# KiCad board Boston-PCB-V08D.kicad_pcb (continued)
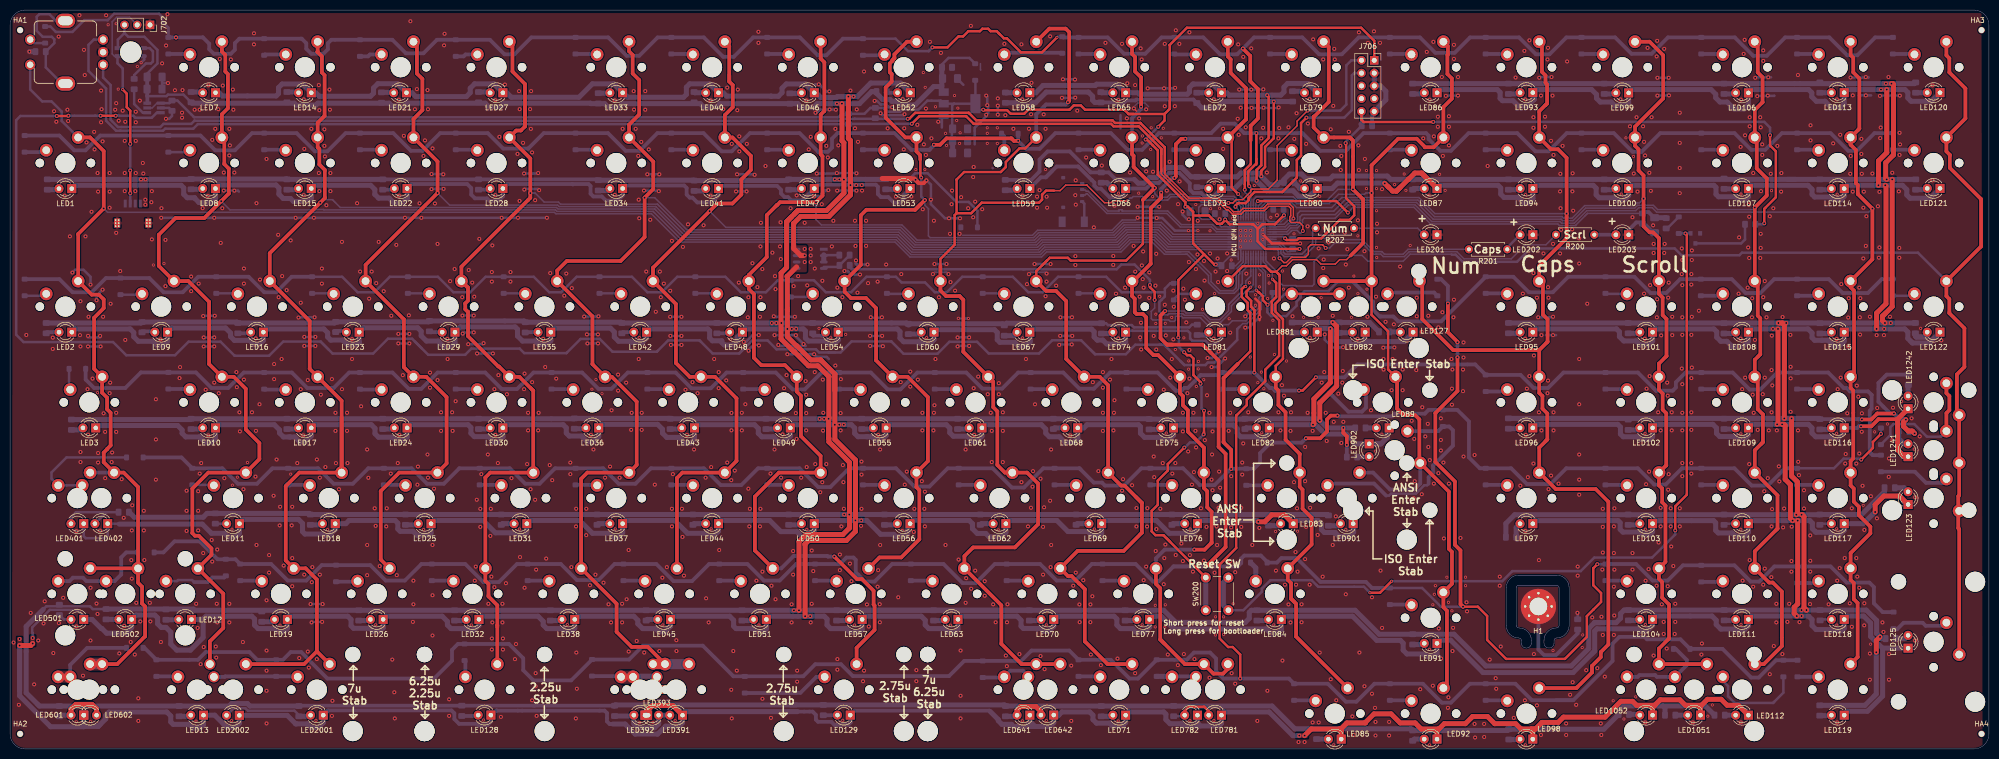
[diagram p0: board, top side]
## Routing (per net, layer and track width the routed paths; a pad name or vN(x,y) marks a point on that pad's centre or on a via; arc(x,y) is an arc through that point) (continued)
  vias: v1(0.7,21.18) v1(1.75,8.78) v1(3.23,82.36) v1(4.11,27.06) v1(4.79,12.84) v1(5.6,21.57) v1(6.66,24.97) v1(6.88,29.37) v1(8.5,81.83) v1(8.5,79.58) v1(8.6,19.07) v1(8.75,126.88) v1(9.2,124.78) v1(9.66,141.72) v1(9.71,25.04) v1(10.56,30.06) v1(10.85,110.08) v1(11.4,127.17) v1(11.55,124.92) v1(11.9,101.97) v1(13.2,43.32) v1(13.2,24.38) v1(13.8,145.97) v1(13.9,82.33) v1(14,89.08) v1(14,80.08) v1(14,59.08) v1(14,57.08) v1(14.5,14.57) v1(14.7,139.07) v1(14.86,134.06) v1(15,101.97) v1(15.2,120.67) v1(15.4,71.58) v1(15.5,82.17) v1(15.5,62.53) v1(15.6,85.97) v1(16,32.07) v1(16,21.57) v1(16.2,106.88) v1(16.4,73.67) v1(16.72,122.77) v1(16.8,119.28) v1(17.19,28.93) v1(17.4,114.58) v1(17.39,26.85) v1(17.5,110.88) v1(17.5,58.88) v1(17.5,56.97) v1(17.9,82.17) v1(17.9,43.43) v1(18.1,130.97) v1(18.1,124.67) v1(18.2,127.28) v1(18.4,120.88) v1(18.5,85.97) v1(18.6,66.78) v1(18.9,63.08) v1(18.9,53.88) v1(19.1,145.97) v1(19.8,114.58) v1(19.8,110.88) v1(19.8,107.67) v1(19.8,70.78) v1(19.9,72.88) v1(20,88.58) v1(20.2,57.08) v1(20.3,58.97) v1(20.9,127.17) v1(21.1,128.47) v1(21.1,102.67) v1(21.1,66.88) v1(21.1,63.08) v1(21.6,124.97) v1(21.72,19) v1(21.9,95.08) v1(22.2,53.67) v1(22.4,126.97) v1(22.6,45.97) v1(22.7,24.47) v1(22.8,120.97) v1(22.8,114.58) v1(22.8,110.97) v1(22.9,124.78) v1(22.9,81.38) v1(24,21.28) v1(24.1,37.57) v1(24.2,43.47) v1(24.2,33.88) v1(24.3,48.47) v1(24.8,18.78) v1(24.9,110.97) v1(25,126.78) v1(25,124.67) v1(25,120.97) v1(25,114.58) v1(25.1,29.07) v1(25.5,10.07) v1(25.5,5.57) v1(25.8,128.97) v1(25.9,25.38) v1(26.4,116.58) v1(26.5,114.47) v1(26.6,47.38) v1(26.6,43.47) v1(26.7,37.57) v1(27.8,29.07) v1(27.9,25.38) v1(28.1,108.78) v1(28.2,110.97) v1(28.2,101.38) v1(29,69.58) v1(29,61.58) v1(29,53.58) v1(29.9,81.47) v1(30,21.28) v1(30.1,107.58) v1(30.23,136.4) v1(30.9,101.28) v1(30.9,92.08) v1(31.03,139.95) v1(31.3,146.18) v1(32.78,131.06) v1(33.7,73.78) v1(33.8,75.97) v1(34.2,126.58) v1(34.2,125.58) v1(34.29,131.06) v1(35.1,51.38) v1(35.1,47.38) v1(35.1,43.38) v1(36,93.97) v1(36,91.08) v1(36.7,127.17) v1(37,28.88) v1(37.3,24.07) v1(37.4,51.28) v1(37.4,47.38) v1(37.4,43.47) v1(37.5,92.58) v1(37.7,127.17) v1(37.7,54.78) v1(37.9,16.88) v1(38,56.88) v1(38.3,107.58) v1(38.4,38.97) v1(38.5,20.28) v1(38.9,71.47) v1(39.35,110.03) v1(39.4,62.38) v1(39.45,132.03) v1(40.1,41.57) v1(40.2,121.17) v1(40.2,37.28) v1(40.6,72.88) v1(40.8,123.38) v1(40.9,20.38) v1(41,18.18) v1(41.1,28.88) v1(41.2,39.68) v1(41.2,25.18) v1(41.4,127.28) v1(41.5,70.78) v1(41.7,137.28) v1(41.9,100.67) v1(42.2,107.58) v1(42.3,131.97) v1(42.5,114.67) v1(42.6,53.88) v1(43.6,123.38) v1(43.6,118.08) v1(43.6,28.88) v1(43.6,25.18) v1(43.7,120.08) v1(43.9,137.18) v1(44.3,131.18) v1(44.4,127.17) v1(44.6,114.67) v1(45,74.97) v1(45.1,71.97) v1(45.6,66.97) v1(45.7,63.17) v1(46.3,21.28) v1(46.4,51.67) v1(46.5,95.58) v1(46.5,92.58) v1(46.5,73.47) v1(48.1,66.97) v1(48.5,142.38) v1(48.5,140.18) v1(48.85,81.67) v1(48.8,54.17) v1(48.9,63.28) v1(49,108.58) v1(49,40.57) v1(49.6,68.58) v1(49.7,93.38) v1(51,117.38) v1(51,29.57) v1(51,19.57) v1(51,15.57) v1(51,11.57) v1(51,5.07) v1(51.5,38.57) v1(51.5,35.07) v1(52.4,50.38) v1(52.5,76.58) v1(52.5,73.58) v1(53,57.58) v1(53.3,102.28) v1(53.4,89.88) v1(53.6,44.47) v1(53.7,48.17) v1(54,77.58) v1(54.1,94.08) v1(54.4,36.47) v1(55,91.28) v1(55.8,101.17) v1(56,44.47) v1(56.1,48.17) v1(56.1,37.97) v1(56.1,32.38) v1(57.1,56.88) v1(57.5,18.07) v1(57.8,88.78) v1(57.8,71.58) v1(58.3,62.38) v1(58.4,129.22) v1(58.4,110.17) v1(58.5,119.38) v1(58.5,34.68) v1(59.2,73.38) v1(59.2,19.38) v1(59.4,16.18) v1(59.9,123.38) v1(60,33.18) v1(60.1,36.18) v1(61,57.58) v1(61,17.88) v1(61.4,132.07) v1(61.4,114.58) v1(61.5,127.08) v1(61.5,110.97) v1(61.6,53.97) v1(61.6,34.68) v1(61.8,70.47) v1(62,95.58) v1(62,92.58) v1(62.5,123.28) v1(62.5,119.97) v1(62.6,117.88) v1(62.7,56.08) v1(62.9,108.17) v1(63.5,131.18) v1(63.6,127.17) v1(63.7,114.58) v1(63.7,110.97) v1(64,73.58) v1(64,6.57) v1(64.1,9.57) v1(64.7,66.88) v1(64.7,63.28) v1(64.8,56.88) v1(65.4,51.67) v1(66,100.88) v1(66,71.58) v1(67,66.88) v1(67,63.28) v1(67.1,56.88) v1(68,81.53) v1(68,77.58) v1(69,108.58) v1(69.6,94.97) v1(69.8,68.17) v1(71,59.58) v1(71,40.57) v1(71,34.57) v1(71.24,53.94) v1(71.4,89.58) v1(71.9,94.97) v1(72.5,47.88) v1(72.7,44.38) v1(72.8,92.67) v1(73.3,100.88) v1(73.5,36.38) v1(74.3,91.08) v1(74.8,44.28) v1(74.9,47.88) v1(75.7,54.78) v1(75.8,86.17) v1(76,17.78) v1(76.4,11.28) v1(76.5,6.07) v1(76.8,100.28) v1(76.9,34.57) v1(77.1,56.88) v1(77.3,129.18) v1(77.35,110.08) v1(77.4,62.47) v1(78.1,74.38) v1(78.3,121.97) v1(79.3,86.28) v1(79.6,144.78) v1(80.1,25.28) v1(80.2,33.47) v1(80.2,28.78) v1(80.5,127.28) v1(80.9,131.28) v1(81,52.58) v1(81.1,56.17) v1(81.42,108.56) v1(82.2,117.97) v1(82.5,121.08) v1(83,131.07) v1(83,58.58) v1(83.1,127.28) v1(83.1,53.97) v1(83.5,74.88) v1(83.5,71.88) v1(84,119.47) v1(84,40.57) v1(84,30.57) v1(84,22.57) v1(84.3,51.78) v1(84.48,108.52) v1(85,100.47) v1(85,73.38) v1(85.7,66.97) v1(85.7,63.28) v1(86.3,139.97) v1(86.4,142.28) v1(86.95,81.58) v1(87,77.58) v1(87.3,9.88) v1(87.3,6.57) v1(87.5,93.08) v1(87.9,66.97) v1(88,63.28) v1(88.4,95.47) v1(88.6,69.17) v1(89.9,89.88) v1(91.2,95.28) v1(91.9,92.78) v1(92.3,89.97) v1(92.4,33.47) v1(92.6,36.28) v1(92.8,49.58) v1(93.3,101.47) v1(93.5,47.78) v1(93.5,44.18) v1(93.7,54.67) v1(95,58.58) v1(95.1,28.88) v1(95.5,42.38) v1(95.6,47.78) v1(95.7,34.28) v1(95.8,94.88) v1(95.8,92.97) v1(95.8,21.97) v1(95.8,19.78) v1(95.9,100.17) v1(95.9,25.18) v1(96.3,71.58) v1(96.3,32.18) v1(96.5,129.07) v1(96.5,110.17) v1(96.5,62.47) v1(97,56.88) v1(97.1,74.38) v1(97.3,121.78) v1(97.6,6.38) v1(97.9,28.88) v1(97.9,25.18) v1(98,21.97) v1(98,19.78) v1(98.4,132.18) v1(98.6,32.97) v1(98.8,70.58) v1(99.5,94.88) v1(99.5,92.97) v1(99.7,53.88) v1(100.4,17.88) v1(100.6,20.88) v1(100.9,118.38) v1(101.2,130.88) v1(101.33,127.28) v1(101.31,109.03) v1(101.4,38.18) v1(102,120.58) v1(102.2,71.58) v1(102.3,74.67) v1(102.3,32.07) v1(102.8,56.67) v1(103,66.88) v1(103,63.38) v1(103.4,127.3) v1(103.5,51.67) v1(103.6,130.88) v1(103.56,123.35) v1(103.8,118.67) v1(103.8,72.97) v1(103.8,9.68) v1(104.4,109.17) v1(104.4,49.58) v1(104.5,15.07) v1(104.5,12.47) v1(104.6,35.68) v1(104.7,6.57) v1(105,63.38) v1(105.1,66.88) v1(106,81.58) v1(106.4,75.97) v1(106.6,37.88) v1(107.3,56.47) v1(107.4,94.67) v1(107.8,53.47) v1(108.6,73.67) v1(110.2,90.17) v1(110.6,94.58) v1(111.4,56.97) v1(111.4,54.67) v1(111.6,36.18) v1(111.7,91.67) v1(112.54,44.28) v1(112.5,6.07) v1(112.56,47.78) v1(112.6,19.18) v1(112.7,11.97) v1(114.58,47.78) v1(114.56,42.53) v1(115.3,32.57) v1(115.5,62.47) v1(116,59.58) v1(116.4,34.68) v1(118,33.07) v1(118.3,53.97) v1(119,28.78) v1(119.3,56.17) v1(119.5,25.18) v1(119.6,67.38) v1(120.25,129.03) v1(120.25,110.22) v1(120.9,74.47) v1(120.9,71.28) v1(121.2,53.97) v1(121.7,28.88) v1(121.7,25.18) v1(121.8,123.38) v1(122.5,72.88) v1(122.6,29.78) v1(123,39.57) v1(123,19.38) v1(123.5,63.47) v1(123.6,66.88) v1(124,130.88) v1(124.07,127.19) v1(124.4,123.38) v1(124.6,21.47) v1(124.9,117.97) v1(125,109.28) v1(125,77.58) v1(125.1,105.58) v1(125.5,120.78) v1(125.6,66.88) v1(125.6,63.47) v1(126.1,19.18) v1(126.3,130.88) v1(126.3,127.17) v1(126.5,94.97) v1(127,119.28) v1(127.3,105.28) v1(128.2,52.58) v1(128.4,86.97) v1(129.1,19.47) v1(129.2,94.97) v1(129.4,89.88) v1(129.7,34.07) v1(130,92.58) v1(130.6,36.18) v1(131.27,91.16) v1(131.6,101.08) v1(131.6,47.78) v1(131.6,44.28) v1(131.8,54.67) v1(132.48,21.62) v1(132.5,19.47) v1(133.6,47.78) v1(133.7,42.18) v1(133.8,99.88) v1(134,34.47) v1(134.3,71.47) v1(134.6,62.47) v1(134.8,104.38) v1(135.7,72.97) v1(136,59.58) v1(136.7,70.78) v1(137.9,104.17) v1(138.3,53.97) v1(138.4,29.97) v1(138.9,25.18) v1(139.3,129.03) v1(139.3,110.08) v1(139.4,56.08) v1(140,77.58) v1(140.9,74.97) v1(140.9,71.78) v1(141,39.57) v1(141.8,127.28) v1(142.41,73.33) v1(142.6,131.57) v1(142.6,56.97) v1(143.44,66.86) v1(143.44,63.39) v1(143.4,53.47) v1(143.4,11.78) v1(143.5,120.38) v1(143.5,6.07) v1(143.8,19.47) v1(144.1,55.38) v1(144.5,15.57) v1(144.6,127.08) v1(144.7,131.18) v1(144.9,92.78) v1(145,121.88) v1(145,118.88) v1(145.5,66.88) v1(145.5,63.38) v1(146.2,68.58) v1(146.5,120.38) v1(146.7,85.88) v1(146.81,89.86) v1(146.8,51.78) v1(147,44.28) v1(147.1,47.78) v1(147.61,96.64) v1(148.4,33.47) v1(148.6,91.88) v1(148.8,142.68) v1(148.8,140.47) v1(149.1,85.97) v1(149.1,44.28) v1(149.2,99.97) v1(149.2,89.88) v1(149.2,47.78) v1(149.3,104.67) v1(149.58,95.47) v1(149.6,35.28) v1(149.6,9.97) v1(150.2,115.97) v1(151.2,54.78) v1(151.3,6.18) v1(151.4,32.47) v1(151.58,98.73) v1(152,59.58) v1(152.1,94.08) v1(152.2,91.47) v1(152.2,29.78) v1(153.1,99.97) v1(153.2,104.78) v1(153.26,97.47) v1(153.3,53.97) v1(153.6,62.58) v1(153.9,71.78) v1(154.4,74.38) v1(155.2,107.58) v1(155.4,28.78) v1(155.4,25.18) v1(155.7,39.38) v1(155.7,34.68) v1(155.8,92.08) v1(156.24,66.83) v1(156.4,110.12) v1(156.4,61.67) v1(156.5,15.57) v1(156.5,13.38) v1(156.7,94.08) v1(157.3,53.97) v1(158,104.67) v1(158.2,73.17) v1(158.35,129.03) v1(158.3,70.47) v1(158.3,66.83) v1(158.3,63.38) v1(158.4,56.08) v1(158.51,92.23) v1(158.8,119.28) v1(159.2,121.78) v1(159.2,99.47) v1(159.2,98.17) v1(159.2,96.88) v1(159.2,25.18) v1(159.4,39.47) v1(159.4,28.88) v1(159.7,35.38) v1(160,95.58) v1(160,74.97) v1(160.1,56.67) v1(160.8,132.22) v1(161.1,51.08) v1(161.4,108.38) v1(161.52,93.14) v1(161.5,53.08) v1(161.6,73.47) v1(161.7,66.88) v1(161.65,63.33) v1(162.3,119.97) v1(162.3,56.67) v1(162.6,117.67) v1(163.4,99.97) v1(163.7,105.08) v1(164.1,123.38) v1(164.1,76.28) v1(164.5,91.78) v1(164.5,17.88) v1(164.5,15.78) v1(164.7,120.08) v1(165,38.68) v1(165,35.57) v1(165.2,73.58) v1(165.15,66.83) v1(165.15,63.38) v1(165.3,44.28) v1(165.5,89.88) v1(165.6,56.47) v1(165.7,53.08) v1(165.8,47.78) v1(167,36.88) v1(167.1,130.97) v1(167.3,33.38) v1(168,123.47) v1(168,105.08) v1(168.1,100.08) v1(168.35,127.22) v1(168.5,90.78) v1(168.6,120.78) v1(169.2,44.38) v1(169.3,57.17) v1(169.3,54.58) v1(169.3,47.78) v1(169.4,111.08) v1(169.6,13.47) v1(169.8,134.78) v1(169.8,15.57) v1(170.2,105.08) v1(170.2,100.08) v1(170.38,28.75) v1(170.6,92.67) v1(170.75,24.35) v1(171.14,85.89) v1(172.5,92.97) v1(172.5,32.28) v1(172.6,62.47) v1(172.6,35.57) v1(172.93,28.8) v1(172.95,25.2) v1(173,59.58) v1(173,40.57) v1(173.36,85.88) v1(174.2,96.38) v1(174.5,123.47) v1(176.15,109.88) v1(176.6,30.18) v1(177.1,72.97) v1(177.2,94.47) v1(177.5,129.28) v1(177.7,119.28) v1(177.8,123.47) v1(177.9,52.58) v1(178.3,55.17) v1(179,75.08) v1(179,72.08) v1(179.2,109.88) v1(179.7,43.18) v1(179.8,47.78) v1(180.2,15.68) v1(180.2,13.47) v1(180.4,124.17) v1(180.5,73.47) v1(181.3,53.28) v1(181.4,66.88) v1(181.4,63.38) v1(181.48,107.36) v1(181.7,120.28) v1(181.8,47.78) v1(181.9,51.17) v1(181.9,44.28) v1(182.11,127.4) v1(182.1,118.17) v1(182.9,140.68) v1(183.2,121.47) v1(183.6,63.38) v1(183.7,105.08) v1(183.7,66.88) v1(183.8,68.38) v1(184,77.58) v1(184.7,89.88) v1(185.1,138.47) v1(186,40.57) v1(186.9,102.47) v1(187,92.88) v1(187.2,108.38) v1(187.3,111.08) v1(187.9,91.17) v1(188.6,37.68) v1(188.8,102.47) v1(189,19.57) v1(189,10.57) v1(189,6.07) v1(189.1,109.78) v1(190,59.58) v1(190,29.07) v1(190.1,33.97) v1(190.5,107.58) v1(191.05,143.85) v1(191.1,31.88) v1(191.5,113.78) v1(191.5,105.78) v1(191.6,115.78) v1(191.6,71.78) v1(191.7,62.47) v1(191.9,108.88) v1(191.9,35.47) v1(192.5,74.08) v1(193.3,107.38) v1(193.8,33.38) v1(193.8,30.47) v1(194.4,70.58) v1(195,66.88) v1(195.2,63.28) v1(195.2,57.08) v1(195.47,28.78) v1(195.97,25.2) v1(196.4,129.43) v1(196.6,72.78) v1(196.6,70.58) v1(197.4,66.97) v1(197.4,63.28) v1(197.4,57.08) v1(197.7,140.28) v1(197.9,126.08) v1(198,18.57) v1(198.22,25.2) v1(198.2,16.47) v1(198.32,28.78) v1(199.5,123.38) v1(200.7,18.88) v1(201.1,140.18) v1(201.1,53.08) v1(201.25,129.22) v1(201.3,110.08) v1(202,77.58) v1(202.2,92.47) v1(202.4,44.28) v1(202.6,123.38) v1(203.01,126.28) v1(203,47.97) v1(203.1,132.53) v1(203.3,52.17) v1(203.4,55.28) v1(203.8,68.58) v1(204.2,109.88) v1(204.2,107.67) v1(204.7,111.17) v1(204.9,53.78) v1(204.9,18.47) v1(205.4,44.18) v1(205.4,34.68) v1(205.52,126.25) v1(205.6,48.08) v1(205.7,15.88) v1(205.9,123.38) v1(205.9,90.08) v1(206.1,109.88) v1(206.1,92.97) v1(206.2,107.67) v1(206.8,141.78) v1(206.8,49.38) v1(206.9,36.18) v1(207,59.58) v1(207,40.57) v1(208,92.17) v1(210.8,62.38) v1(211,16.57) v1(211,5.57) v1(211.4,32.47) v1(211.8,110.17) v1(211.82,98.05) v1(211.82,96.28) v1(211.89,113.12) v1(211.9,108.28) v1(211.9,35.07) v1(212.2,126.97) v1(212.62,28.75) v1(212.68,25.22) v1(213.4,33.57) v1(213.96,117.66) v1(214.82,28.75) v1(214.8,25.22) v1(214.9,18.78) v1(215.2,30.38) v1(215.3,72.97) v1(215.5,103.78) v1(216.4,55.28) v1(216.9,16.68) v1(217.08,116.06) v1(217.3,74.97) v1(217.3,71.88) v1(217.3,66.88) v1(217.3,63.28) v1(217.8,140.47) v1(218.7,73.47) v1(219,77.58) v1(219.36,98.06) v1(219.35,96.31) v1(219.4,63.38) v1(219.5,66.88) v1(219.6,108.08) v1(219.6,69.38) v1(219.9,90.58) v1(220.2,17.97) v1(220.35,129.12) v1(220.35,81.67) v1(221.1,140.28) v1(221.1,51.38) v1(221.3,53.67) v1(221.7,91.78) v1(222.15,132.43) v1(222.06,125.45) v1(222.7,114.67) v1(223.1,52.47) v1(223.4,100.08) v1(223.7,132.07) v1(223.72,94.97) v1(223.7,15.07) v1(223.98,47.92) v1(223.96,44.25) v1(224.5,125.44) v1(224.6,89.97) v1(224.7,81.89) v1(224.8,139.38) v1(224.87,84.8) v1(224.9,79.47) v1(225,137.18) v1(225.04,96.19) v1(225.22,93.47) v1(225.3,98.97) v1(225.4,91.78) v1(225.4,33.57) v1(225.9,127.25) v1(225.9,114.91) v1(225.9,36.28) v1(226.13,47.91) v1(226.08,44.25) v1(226.53,94.8) v1(226.5,89.72) v1(227.26,114.83) v1(227.4,82.17) v1(227.4,58.17) v1(227.5,54.08) v1(227.75,92.17) v1(227.8,39.38) v1(227.9,98.5) v1(227.91,79.47) v1(227.93,43.75) v1(228,105.62) v1(228.71,47.78) v1(229.2,56.88) v1(229.45,131.43) v1(229.4,71.47) v1(229.4,32.78) v1(229.5,37.97) v1(229.6,140.28) v1(229.6,127.88) v1(229.6,88.38) v1(229.72,40.66) v1(229.8,82.28) v1(230,111.08) v1(230.2,18.78) v1(230.56,116.83) v1(230.7,73.88) v1(231,77.58) v1(231.1,54.78) v1(231.3,91.17) v1(231.3,81.47) v1(231.4,87.97) v1(231.6,127.88) v1(231.7,56.88) v1(231.8,142.97) v1(231.78,38.59) v1(232.24,108.39) v1(232.2,16.68) v1(232.5,140.28) v1(232.55,112.91) v1(232.9,40.88) v1(233.2,66.88) v1(233.2,63.17) v1(233.2,37.38) v1(233.3,91.58) v1(233.4,18.88) v1(233.6,89.38) v1(233.88,84.86) v1(234.1,70.78) v1(234.25,59.19) v1(234.4,96.88) v1(234.5,142.57) v1(234.5,79.38) v1(234.5,73.67) v1(234.6,38.57) v1(235,52.58) v1(235.2,35.28) v1(235.3,66.88) v1(235.4,55.08) v1(235.5,17.88) v1(235.7,63.28) v1(235.8,95.47) v1(235.82,60) v1(236.15,105.08) v1(236.1,98.38) v1(236.8,47.88) v1(237.4,97.08) v1(237.4,37.47) v1(237.5,93.17) v1(237.57,61.44) v1(237.9,44.18) v1(238,70.38) v1(238.48,66.86) v1(238.5,14.18) v1(238.6,98.58) v1(238.9,53.58) v1(239,58.58) v1(239.1,63.17) v1(239.1,51.47) v1(239.3,81.62) v1(239.35,129.22) v1(239.5,35.07) v1(239.7,94.97) v1(239.9,44.28) v1(240,40.57) v1(240.1,97.58) v1(240.2,92.88) v1(240.3,47.97) v1(240.4,55.17) v1(240.5,105.38) v1(240.6,51.97) v1(241.2,123.38) v1(241.2,119.38) v1(242,98.58) v1(242,95.08) v1(242.3,63.28) v1(242.6,82.83) v1(242.6,66.88) v1(242.6,37.38) v1(242.8,54.28) v1(242.8,47.97) v1(242.8,44.07) v1(242.9,15.07) v1(243.6,35.18) v1(243.6,12.97) v1(244.1,125.38) v1(244.2,140.18) v1(244.3,122.17) v1(244.7,127.58) v1(244.8,47.97) v1(244.8,44.18) v1(245,56.97) v1(245,54.58) v1(245.2,137.68) v1(245.2,60.78) v1(245.7,123.67) v1(245.82,94.56) v1(246.2,66.97) v1(246.8,139.38) v1(247,40.57) v1(248,5.57) v1(248.4,43.97) v1(248.8,121.47) v1(249.15,123.58) v1(249.25,127.58) v1(249.9,114.67) v1(250,11.57) v1(251.3,97.58) v1(251.7,35.47) v1(251.9,106.17) v1(252.2,121.47) v1(252.2,66.97) v1(252.35,123.53) v1(252.6,63.38) v1(252.9,72.38) v1(253,17.57) v1(253.3,70.28) v1(253.5,32.68) v1(254.2,123.67) v1(254.2,28.75) v1(254.6,63.28) v1(254.6,25.18) v1(254.7,66.97) v1(255,86.08) v1(255.3,53.08) v1(255.35,121.38) v1(255.6,39.18) v1(255.7,32.68) v1(255.8,126.47) v1(255.9,47.88) v1(256,35.28) v1(256.2,1.38) v1(256.8,28.78) v1(256.8,25.2) v1(257.4,1.38) v1(257.5,60.08) v1(257.5,53.28) v1(257.5,37.78) v1(257.7,120.38) v1(257.7,44.18) v1(258,103.97) v1(258,66.88) v1(258.05,124.42) v1(258.4,129.28) v1(258.45,81.78) v1(258.4,32.68) v1(258.5,47.97) v1(259,63.28) v1(259,5.28) v1(259.1,141.18) v1(260,42.57) v1(260.2,99.58) v1(260.2,5.28) v1(260.4,19.18) v1(260.8,72.88) v1(261,34.28) v1(261.1,137.18) v1(261.1,95.67) v1(261.2,97.38) v1(261.3,74.97) v1(261.4,103.67) v1(261.6,66.88) v1(261.8,61.28) v1(262.2,100.78) v1(262.6,123.28) v1(262.6,13.88) v1(262.9,102.38) v1(263,86.17) v1(263,40.57) v1(263.1,127.92) v1(263.2,65.08) v1(263.3,139.28) v1(263.4,137.18) v1(263.6,46.28) v1(263.7,9.68) v1(264.1,70.67) v1(264.5,119.97) v1(264.6,115.17) v1(264.7,117.97) v1(264.7,60.88) v1(264.9,72.88) v1(265,75.17) v1(265.1,65.08) v1(265.4,102.72) v1(265.6,96.38) v1(265.6,30.78) v1(265.9,99.42) v1(266.2,122.78) v1(266.2,91.78) v1(266.9,6.47) v1(267.2,2.78) v1(267.95,81.58) v1(268,105.17) v1(268.1,120.08) v1(268.2,142.57) v1(268.2,115.17) v1(268.3,19.18) v1(269.3,99.03) v1(269.3,12.47) v1(269.4,117.38) v1(269.9,85.97) v1(270,140.47) v1(270.6,67.38) v1(270.8,30.18) v1(270.8,10.97) v1(271.2,142.78) v1(271.4,8.18) v1(271.5,5.38) v1(271.5,2.68) v1(271.6,89.97) v1(271.8,104.47) v1(271.8,102.78) v1(272.4,140.47) v1(272.5,35.47) v1(272.8,111.38) v1(272.8,24.07) v1(273.1,77.58) v1(273.1,75.47) v1(273.5,84.97) v1(274.2,5.38) v1(274.2,2.68) v1(274.7,71.38) v1(274.9,77.58) v1(275.15,84.47) v1(276.4,95.97) v1(276.9,75.47) v1(276.9,71.38) v1(278.7,65.28) v1(279.1,49.88) v1(279.2,61.67) v1(279.3,53.28) v1(279.6,75.38) v1(279.7,89.78) v1(279.7,86.08) v1(280.4,11.88) v1(280.7,82.97) v1(280.7,50.67) v1(280.8,67.97) v1(281,121.47) v1(281.4,62.17) v1(281.7,138.68) v1(281.9,64.67) v1(282,86.17) v1(282,60.08) v1(282.25,129.18) v1(282.3,57.47) v1(282.9,12.57) v1(283,140.68) v1(283.1,121.88) v1(283.1,52.78) v1(283.9,125.78) v1(283.9,123.78) v1(284,83.88) v1(284,54.88) v1(284.07,23.97) v1(284.5,65.78) v1(284.5,61.47) v1(284.5,59.38) v1(284.55,18) v1(284.7,133.68) v1(284.8,86.88) v1(284.9,117.97) v1(285,56.97) v1(285.1,41.88) v1(285.9,8.18) v1(286,10.28) v1(286.1,125.88) v1(286.1,123.78) v1(286.1,120.08) v1(286.1,52.78) v1(286.6,77.58) v1(286.7,71.67) v1(286.7,68.47) v1(286.8,75.47) v1(286.81,19.47) v1(286.93,24.09) v1(287,85.88) v1(287.1,140.07) v1(287.1,137.28) v1(287.1,89.38) v1(287.9,133.68) v1(288.4,41.97) v1(288.9,75.47) v1(288.9,71.17) v1(289,80.88) v1(289,77.88) v1(289,58.17) v1(289.6,29.18) v1(289.7,27.38) v1(291.2,58.47) v1(291.2,4.97) v1(291.3,2.28) v1(293.1,4.97) v1(293.1,2.38) v1(293.8,115.97) v1(294.2,17.78) v1(295.4,14.07) v1(295.5,11.97) v1(296.2,34.28) v1(296.2,32.47) v1(296.4,20.38) v1(299,6.18) v1(299.35,133.57) v1(300.3,52.38) v1(300.8,90.58) v1(301.1,138.88) v1(301.25,81.62) v1(301.2,9.68) v1(301.3,129.22) v1(301.3,43.38) v1(301.4,62.47) v1(301.6,71.67) v1(301.8,54.08) v1(302.1,140.97) v1(302.1,74.17) v1(302.9,125.67) v1(302.9,123.58) v1(302.9,94.67) v1(302.9,56.78) v1(303,78.28) v1(303,18.88) v1(303.6,89.78) v1(303.6,8.68) v1(304,66.97) v1(304,37.57) v1(304.4,129.97) v1(304.4,2.78) v1(304.5,82.33) v1(304.5,63.38) v1(304.9,98.58) v1(305.2,125.78) v1(305.2,123.78) v1(305.7,137.18) v1(305.7,70.78) v1(305.8,139.47) v1(305.8,91.88) v1(305.8,73.28) v1(305.9,89.78) v1(305.9,51.67) v1(306.4,120.97) v1(306.4,54.38) v1(306.7,129.97) v1(306.8,100.47) v1(306.8,82.33) v1(306.9,118.17) v1(306.9,66.97) v1(306.9,63.38) v1(307.9,52.78) v1(308.25,114.42) v1(308.2,110.92) v1(308.2,98.58) v1(308.3,107.58) v1(308.4,103.28) v1(308.7,119.97) v1(309.4,5.07) v1(309.4,2.78) v1(309.6,136.78) v1(309.8,100.47) v1(310.2,10.78) v1(310.65,110.92) v1(310.6,103.38) v1(310.7,114.53) v1(310.7,13.28) v1(310.8,107.08) v1(311.4,8.78) v1(311.7,36.28) v1(311.7,34.47) v1(312,101.58) v1(312,96.58) v1(312,77.58) v1(312,68.58) v1(312,58.58) v1(312,53.58) v1(312,50.58) v1(313.4,15.68) v1(313.6,88.58) v1(314.6,26.18) v1(315.6,16.07) v1(316.3,5.07) v1(316.43,26.3) v1(316.4,2.78) v1(316.6,35.68) v1(316.7,47.78) v1(316.7,44.18) v1(316.7,39.07) v1(316.7,22.68) v1(317.1,14.38) v1(318.9,44.28) v1(318.9,38.97) v1(318.9,32.28) v1(318.9,22.68) v1(319,47.88) v1(319,35.68) v1(318.98,26.55) v1(320.2,129.22) v1(322.1,123.88) v1(322.6,105.78) v1(322.6,38.97) v1(322.6,35.68) v1(322.85,114.47) v1(323.4,125.67) v1(323.6,110.88) v1(324.7,123.88) v1(324.9,120.78) v1(324.9,90.58) v1(325.1,118.08) v1(325.05,81.62) v1(325.15,5.28) v1(325.2,33.47) v1(325.3,52.67) v1(325.4,71.67) v1(325.6,139.47) v1(325.8,35.78) v1(325.95,114.62) v1(325.9,55.17) v1(326,74.17) v1(326.1,92.28) v1(326.25,111.03) v1(326.4,125.67) v1(326.7,104.17) v1(326.8,100.47) v1(326.8,98.67) v1(326.8,18.57) v1(327.4,137.78) v1(327.45,85.88) v1(327.4,32.47) v1(327.5,140.88) v1(327.5,89.47) v1(327.7,66.97) v1(327.8,41.07) v1(328.2,63.38) v1(328.2,47.97) v1(328.2,44.28) v1(328.3,82.28) v1(328.43,28.78) v1(328.8,25.28) v1(328.8,22.88) v1(328.9,139.28) v1(328.9,98.67) v1(329,100.47) v1(329.4,19.97) v1(329.5,72.88) v1(329.6,70.28) v1(329.6,32.38) v1(329.7,89.78) v1(329.7,51.58) v1(329.8,92.78) v1(329.8,54.67) v1(330.2,47.88) v1(330.2,44.28) v1(330.3,40.28) v1(330.4,66.97) v1(330.4,63.38) v1(330.5,85.97) v1(330.5,82.33) v1(330.71,36.38) v1(331,22.88) v1(331.1,28.88) v1(331.1,25.28) v1(332,126.58) v1(332,120.58) v1(332,115.58) v1(332,110.58) v1(332,47.88) v1(332,44.28) v1(332.4,99.58) v1(332.4,94.47) v1(332.4,75.67) v1(332.5,97.28) v1(332.5,92.28) v1(332.5,85.88) v1(332.5,82.38) v1(332.5,72.58) v1(332.5,66.88) v1(332.5,63.38) v1(332.5,56.88) v1(332.5,54.28) v1(334.3,94.47) v1(334.3,92.38) v1(334.3,82.38) v1(334.3,73.78) v1(334.3,66.97) v1(334.3,63.47) v1(334.3,56.88) v1(334.3,54.78) v1(334.4,99.17) v1(334.4,97.28) v1(334.4,85.97) v1(334.4,75.88) v1(334.6,5.28) v1(335.8,87.17) v1(336.3,18.78) v1(336.4,20.97) v1(343.7,90.58) v1(343.8,101.78) v1(344.1,119.78) v1(344.1,81.62) v1(344.15,5.28) v1(344.2,129.18) v1(344.4,71.58) v1(344.5,33.47) v1(344.7,138.28) v1(344.9,141.07) v1(344.98,122.09) v1(345,73.88) v1(345.5,91.78) v1(345.6,99.78) v1(345.7,108.28) v1(345.8,105.88) v1(345.8,97.67) v1(345.8,56.67) v1(345.9,125.67) v1(345.9,123.88) v1(345.9,37.57) v1(346.4,89.67) v1(346.35,85.88) v1(346.5,70.47) v1(346.6,114.58) v1(346.6,32.28) v1(346.7,66.88) v1(346.95,81.38) v1(347.4,129.88) v1(347.5,63.47) v1(348,125.67) v1(348,97.67) v1(348.1,123.67) v1(348.15,110.97) v1(348.1,102.47) v1(348.1,99.67) v1(348.4,120.28) v1(348.4,118.17) v1(348.5,70.58) v1(348.6,138.97) v1(348.6,136.88) v1(348.6,89.88) v1(348.6,32.68) v1(348.8,51.28) v1(348.9,93.08) v1(348.9,73.88) v1(348.9,35.88) v1(349.25,85.88) v1(349.5,129.97) v1(349.5,53.88) v1(349.6,133.62) v1(349.7,63.38) v1(349.9,105.97) v1(349.9,14.88) v1(350.1,114.42) v1(350.25,75.38) v1(350.25,66.97) v1(350.25,44.28) v1(350.2,34.18) v1(350.3,82.22) v1(350.4,72.33) v1(350.35,47.72) v1(350.6,107.58) v1(350.7,20.47) v1(351.2,28.88) v1(351.2,25.18) v1(351.3,63.38) v1(351.4,119.97) v1(351.7,56.22) v1(351.8,53.22) v1(352.15,110.88) v1(352.2,114.58) v1(352.45,85.92) v1(352.4,18.88) v1(352.55,44.07) v1(352.75,47.83) v1(353.4,25.28) v1(353.75,28.88) v1(354,82.38) v1(354.05,76.03) v1(354.05,73.72) v1(354.05,67.08) v1(354.25,44.22) v1(354.2,37.38) v1(354.2,35.28) v1(355.5,134.07) v1(355.5,63.38) v1(355.55,57.12) v1(355.7,54.47) v1(355.8,25.22) v1(356.7,51.47) v1(356.7,47.83) v1(357.95,42.47) v1(357.95,37.43) v1(357.95,35.28) v1(357.9,28.82) v1(358,124.08) v1(358,121.08) v1(361.6,28.78) v1(362.5,120.47) v1(363.25,129.22) v1(363.2,81.58) v1(363.3,33.47) v1(363.3,5.28) v1(363.4,71.58) v1(363.8,35.97) v1(363.9,122.17) v1(364,73.88) v1(364.1,92.47) v1(364.8,37.97) v1(364.9,56.78) v1(365,58.67) v1(365.3,66.78) v1(365.5,85.83) v1(365.5,80.08) v1(365.6,89.67) v1(365.8,28.97) v1(365.9,114.42) v1(366,117.97) v1(366.2,47.88) v1(366.22,24.29) v1(366.4,130.03) v1(366.4,110.88) v1(367.1,56.78) v1(367.1,37.97) v1(367.2,72.28) v1(367.3,34.28) v1(367.5,70.08) v1(367.7,91.78) v1(367.7,58.78) v1(367.7,32.07) v1(367.8,85.88) v1(367.9,89.67) v1(367.85,82.42) v1(368.1,121.38) v1(368.1,118.38) v1(368.2,114.42) v1(368.21,66.78) v1(368.19,63.11) v1(368.35,52.36) v1(368.5,107.67) v1(368.5,97.58) v1(368.6,110.88) v1(368.7,43.57) v1(368.7,28.97) v1(368.68,24.59) v1(369,133.68) v1(369,130.03) v1(369,100.08) v1(369.1,105.97) v1(369.8,85.97) v1(369.8,18.97) v1(369.8,13.78) v1(370,50.28) v1(370.3,114.47) v1(371.15,82.33) v1(371.25,67.83) v1(371.2,45.88) v1(371.4,107.97) v1(371.6,97.72) v1(371.7,110.83) v1(371.7,99.78) v1(371.95,123.62) v1(371.85,121.53) v1(372.3,25.18) v1(372.5,23.28) v1(372.6,82.33) v1(373.5,133.68) v1(373.6,57.78) v1(373.56,54.12) v1(373.6,18.88) v1(373.6,13.78) v1(373.8,85.97) v1(374.25,114.62) v1(374.4,67.88) v1(375.55,110.92) v1(375.65,99.67) v1(375.65,97.72) v1(375.7,122.58) v1(375.7,118.17) v1(375.8,120.28) v1(378.1,65.78) v1(378.8,50.08) v1(378.8,21.57) v1(379.7,62.17) v1(382.25,132.03) v1(382.25,113.12) v1(384,81.28) v2(13.17,5.4) v2(15.97,5.47) v2(17.4,70.88) v2(19.5,144.07) v2(21.1,144.28) v2(21.5,131.28) v2(25.3,135.78) v2(28.5,96.28) v2(30.6,96.58) v2(36.97,5.55) v2(44.05,5.62) v2(44.12,43.72) v2(44.2,52.47) v2(45.2,54.08) v2(47.2,56.97) v2(53.67,24.65) v2(55.8,54.67) v2(60.83,5.68) v2(63.12,43.65) v2(72.7,24.7) v2(82.22,43.65) v2(91.72,24.65) v2(94.15,5.75) v2(101.3,43.75) v2(110.8,24.75) v2(115.7,71.58) v2(116.5,73.47) v2(117.7,70.67) v2(120.32,43.78) v2(125.1,81.88) v2(125.2,5.28) v2(127.82,5.3) v2(129.8,24.68) v2(132.25,5.62) v2(139.4,43.8) v2(143.2,81.47) v2(148.9,24.68) v2(158.43,43.65) v2(160.85,83.67) v2(163.2,81.8) v2(165.57,5.7) v2(166.15,82.47) v2(167.93,24.65) v2(177.4,43.47) v2(180.1,115.28) v2(181.58,134.56) v2(181.9,115.28) v2(181.96,131.62) v2(182.25,81.83) v2(184.02,127.75) v2(186,122.47) v2(186.2,120.08) v2(186.97,24.62) v2(187.8,129.99) v2(188.23,125.05) v2(188.46,127.5) v2(188.8,120.47) v2(188.9,122.58) v2(194.3,123.58) v2(194.3,122.47) v2(194.3,120.47) v2(196.3,123.58) v2(196.3,120.47) v2(196.5,43.57) v2(201.3,81.78) v2(201.32,5.57) v2(205.9,115.28) v2(206.05,24.68) v2(206.05,5.68) v2(215.6,43.75) v2(220.4,110.58) v2(220.35,5.57) v2(224.42,110.58) v2(225.1,120.56) v2(225.1,24.7) v2(225.16,121.95) v2(226.8,119.28) v2(226.9,123.58) v2(227.2,109.88) v2(227.7,28.57) v2(227.7,24.28) v2(227.83,86.5) v2(227.82,84.64) v2(228.59,90.06) v2(228.9,121.58) v2(229.3,123.47) v2(229.6,24.18) v2(229.69,84.69) v2(229.7,28.68) v2(229.9,62.85) v2(230.99,85.84) v2(231.7,79.47) v2(233.4,81.78) v2(234.3,103.12) v2(234.34,75.56) v2(234.37,77.19) v2(234.65,43.75) v2(234.6,5.65) v2(235.77,108.31) v2(235.88,72.12) v2(236.28,77.11) v2(236.26,75.61) v2(237.1,87.47) v2(237.35,73.45) v2(238.6,103.08) v2(238.72,107.47) v2(239.43,112.53) v2(239.38,5.65) v2(239.5,90.58) v2(239.7,26.28) v2(239.7,22.68) v2(240.5,107.58) v2(241.3,26.28) v2(241.3,22.78) v2(242.4,85.58) v2(242.8,97.28) v2(243.1,105.58) v2(243.2,28.88) v2(244.7,102.08) v2(244.7,101.08) v2(245.7,103.17) v2(245.7,102.08) v2(245.7,101.08) v2(246.43,92.75) v2(246.6,77.97) v2(246.7,103.17) v2(246.7,102.08) v2(246.7,101.08) v2(247.4,112.08) v2(247.66,90.36) v2(248.1,104.58) v2(248.1,72.88) v2(248.43,94.31) v2(248.43,91.92) v2(248.8,74.97) v2(248.88,62.9) v2(249.1,103.28) v2(249.3,71.67) v2(250.05,89.62) v2(250.24,94.19) v2(250.35,92.69) v2(250.7,105.78) v2(251.1,85.28) v2(251.27,24.68) v2(251.4,78.47) v2(251.62,43.28) v2(253,95.08) v2(253.2,91.47) v2(253.8,77.17) v2(255.3,102.47) v2(256,43.32) v2(256.62,113) v2(257.2,85.88) v2(260.1,85.88) v2(260.4,109.95) v2(260.7,89.78) v2(263.2,0.82) v2(265.6,43.68) v2(266.7,85.88) v2(267.2,94.08) v2(268,102.08) v2(268,90.58) v2(269.7,115.08) v2(269.7,111.47) v2(269.8,91.47) v2(271.52,59.25) v2(271.7,115.08) v2(271.7,111.47) v2(271.7,107.08) v2(271.7,99.78) v2(271.75,97.78) v2(272.77,62.62) v2(275.3,112.28) v2(277.2,114.38) v2(277.55,111.12) v2(278.4,100.17) v2(282.15,110.17) v2(282.25,19.82) v2(282.25,0.82) v2(282.9,28.68) v2(283.2,30.78) v2(283.4,32.47) v2(284.25,114.33) v2(285.35,111.12) v2(285.7,34.18) v2(286,29.18) v2(286.7,27.47) v2(289.4,34.18) v2(289.4,32.47) v2(301.3,0.82) v2(301.35,110.28) v2(306.8,19.57) v2(312.6,20.18) v2(312.7,22.68) v2(318.76,9.59) v2(320.38,110.4) v2(320.9,5.96) v2(321.3,121.58) v2(322.8,117.88) v2(323.24,10.35) v2(325.1,62.78) v2(325.15,43.72) v2(325.15,24.78) v2(337.58,6.53) v2(338.48,8.75) v2(344.15,62.7) v2(344.15,43.7) v2(344.18,110.4) v2(344.18,24.75) v2(350.25,111.08) v2(363.18,62.8) v2(363.2,43.8) v2(363.23,24.65) v2(363.3,110.35) v2(368.47,48.47) v2(369.95,20.84) v2(370.75,63.08) v2(373.3,64.66) v2(374.2,61.52) v2(376.07,69.15) v2(378.62,59.65) v2(379.9,83.67)
